# Altium PCB PCB2.PcbDoc (part 3 of 3)
Units mil, origin at the board's own origin, x right, y up, seen from the top; angles counter-clockwise.
Board outline 15748.03 x 10775.59 mil, 4 copper layers (Top Layer, Y1, S2, Bottom Layer), stack 33.217 mil thick; 703 components, 696 nets, 1756 pads, 488 vias.
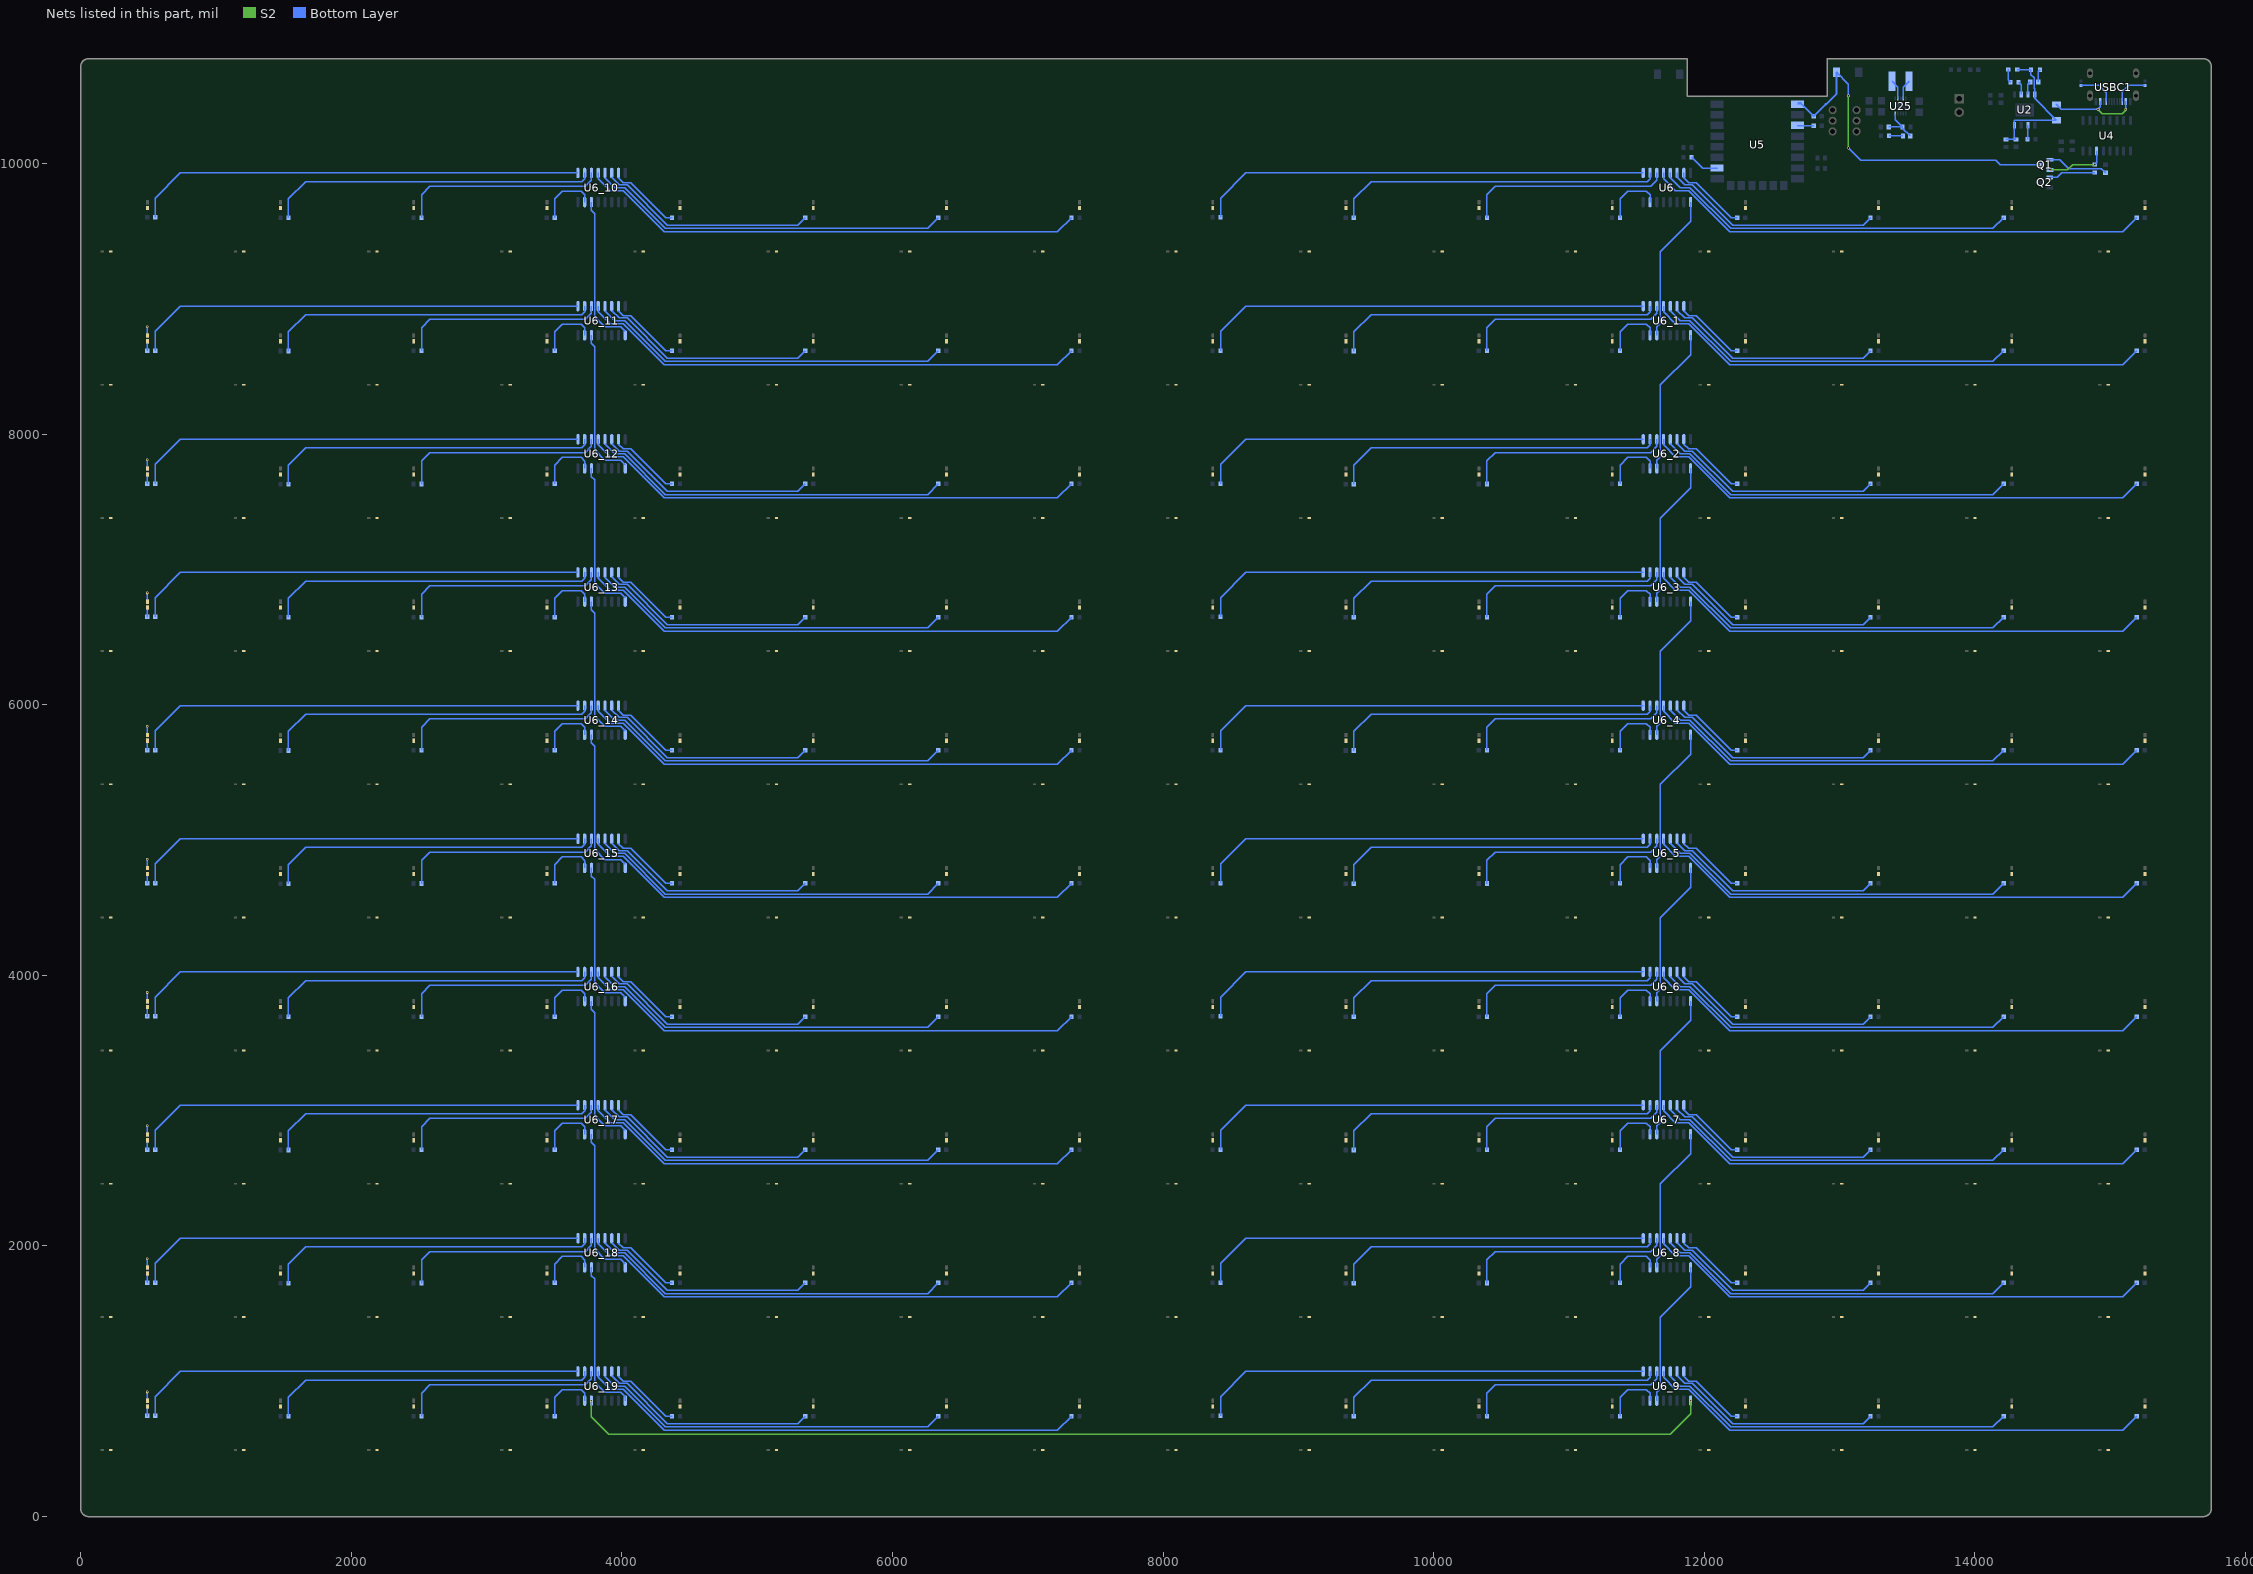
[diagram p5: the nets of this part, all layers, seen from the top]

## Via types
v1: diameter 19.68, hole 11.81, Top Layer to Bottom Layer, tented both sides, 335 vias
v2: diameter 17.72, hole 11.81, Top Layer to Bottom Layer, tented both sides, 153 vias

## Nets (pads, with @x,y where several pads share a name; then routed paths per layer and width w, separated by ;. In a path a pad name is that pad's centre, name@x,y a point inside that pad or via, vN(x,y) a via of type N, cw(c..) or ccw(c..) an arc to the next point about the centre after c; other vN are vias at no path point) (continued)
NewNet303: FL10.1 L10.2 | length 64.2
  Bottom Layer w10: L10.2@491.97,855.91 v1(491.97,920.1)
NewNet304: BR_27.1 L10.1 | length 70.3
  Bottom Layer w10: BR_27.1@492.88,741.73 L10.1@492.84,812.12
NewNet305: FL9.1 L9.2 | length 64.2
  Bottom Layer w10: L9.2@491.97,1840.16 v1(491.97,1904.35)
NewNet306: BR_26.1 L9.1 | length 70.3
  Bottom Layer w10: BR_26.1@492.88,1725.98 L9.1@492.88,1796.33
NewNet307: FL8.1 L8.2 | length 64.2
  Bottom Layer w10: L8.2@491.97,2824.41 v1(491.97,2888.61)
NewNet308: BR_25.1 L8.1 | length 70.3
  Bottom Layer w10: BR_25.1@492.88,2710.24 L8.1@492.84,2780.62
NewNet309: FL7.1 L7.2 | length 64.2
  Bottom Layer w10: L7.2@491.97,3808.66 v1(491.97,3872.86)
NewNet310: BR_24.1 L7.1 | length 70.3
  Bottom Layer w10: BR_24.1@492.88,3694.49 L7.1@492.88,3764.83
NewNet311: FL6.1 L6.2 | length 64.2
  Bottom Layer w10: L6.2@491.97,4792.92 v1(491.97,4857.11)
NewNet312: BR_23.1 L6.1 | length 70.3
  Bottom Layer w10: BR_23.1@492.88,4678.74 L6.1@492.84,4749.12
NewNet313: FL5.1 L5.2 | length 64.2
  Bottom Layer w10: L5.2@491.97,5777.17 v1(491.97,5841.36)
NewNet314: BR_22.1 L5.1 | length 70.3
  Bottom Layer w10: BR_22.1@492.88,5662.99 L5.1@492.88,5733.34
NewNet315: FL4.1 L4.2 | length 64.2
  Bottom Layer w10: L4.2@491.97,6761.42 v1(491.97,6825.61)
NewNet316: BR_21.1 L4.1 | length 70.3
  Bottom Layer w10: BR_21.1@492.88,6647.24 L4.1@492.84,6717.63
NewNet317: FL3.1 L3.2 | length 64.2
  Bottom Layer w10: L3.2@491.97,7745.67 v1(491.97,7809.87)
NewNet318: BR_20.1 L3.1 | length 70.3
  Bottom Layer w10: BR_20.1@492.88,7631.5 L3.1@492.88,7701.84
NewNet319: FL2.1 L2.2 | length 64.2
  Bottom Layer w10: L2.2@491.97,8729.92 v1(491.97,8794.12)
NewNet320: BR_19.1 L2.1 | length 70.3
  Bottom Layer w10: BR_19.1@492.88,8615.75 L2.1@492.84,8686.13
NewNet321: D1_15.2 FL1_15.2
NewNet322: D2_15.2 FL2_15.2
NewNet323: D3_15.2 FL3_15.2
NewNet324: D4_15.2 FL4_15.2
NewNet325: D5_15.2 FL5_15.2
NewNet326: D6_15.2 FL6_15.2
NewNet327: D7_15.2 FL7_15.2
NewNet328: D8_15.2 FL8_15.2
NewNet329: D9_15.2 FL9_15.2
NewNet330: D10_15.2 FL10_15.2
NewNet331: D1_14.2 FL1_14.2
NewNet332: D2_14.2 FL2_14.2
NewNet333: D3_14.2 FL3_14.2
NewNet334: D4_14.2 FL4_14.2
NewNet335: D5_14.2 FL5_14.2
NewNet336: D6_14.2 FL6_14.2
NewNet337: D7_14.2 FL7_14.2
NewNet338: D8_14.2 FL8_14.2
NewNet339: D9_14.2 FL9_14.2
NewNet340: D10_14.2 FL10_14.2
NewNet341: D1_13.2 FL1_13.2
NewNet342: D2_13.2 FL2_13.2
NewNet343: D3_13.2 FL3_13.2
NewNet344: D4_13.2 FL4_13.2
NewNet345: D5_13.2 FL5_13.2
NewNet346: D6_13.2 FL6_13.2
NewNet347: D7_13.2 FL7_13.2
NewNet348: D8_13.2 FL8_13.2
NewNet349: D9_13.2 FL9_13.2
NewNet350: D10_13.2 FL10_13.2
NewNet351: D1_12.2 FL1_12.2
NewNet352: D2_12.2 FL2_12.2
NewNet353: D3_12.2 FL3_12.2
NewNet354: D4_12.2 FL4_12.2
NewNet355: D5_12.2 FL5_12.2
NewNet356: D6_12.2 FL6_12.2
NewNet357: D7_12.2 FL7_12.2
NewNet358: D8_12.2 FL8_12.2
NewNet359: D9_12.2 FL9_12.2
NewNet360: D10_12.2 FL10_12.2
NewNet361: D1_11.2 FL1_11.2
NewNet362: D2_11.2 FL2_11.2
NewNet363: D3_11.2 FL3_11.2
NewNet364: D4_11.2 FL4_11.2
NewNet365: D5_11.2 FL5_11.2
NewNet366: D6_11.2 FL6_11.2
NewNet367: D7_11.2 FL7_11.2
NewNet368: D8_11.2 FL8_11.2
NewNet369: D9_11.2 FL9_11.2
NewNet370: D10_11.2 FL10_11.2
NewNet371: D1_10.2 FL1_10.2
NewNet372: D2_10.2 FL2_10.2
NewNet373: D3_10.2 FL3_10.2
NewNet374: D4_10.2 FL4_10.2
NewNet375: D5_10.2 FL5_10.2
NewNet376: D6_10.2 FL6_10.2
NewNet377: D7_10.2 FL7_10.2
NewNet378: D8_10.2 FL8_10.2
NewNet379: D9_10.2 FL9_10.2
NewNet380: D10_10.2 FL10_10.2
NewNet381: D1_9.2 FL1_9.2
NewNet382: D2_9.2 FL2_9.2
NewNet383: D3_9.2 FL3_9.2
NewNet384: D4_9.2 FL4_9.2
NewNet385: D5_9.2 FL5_9.2
NewNet386: D6_9.2 FL6_9.2
NewNet387: D7_9.2 FL7_9.2
NewNet388: D8_9.2 FL8_9.2
NewNet389: D9_9.2 FL9_9.2
NewNet390: D10_9.2 FL10_9.2
NewNet391: D1_8.2 FL1_8.2
NewNet392: D2_8.2 FL2_8.2
NewNet393: D3_8.2 FL3_8.2
NewNet394: D4_8.2 FL4_8.2
NewNet395: D5_8.2 FL5_8.2
NewNet396: D6_8.2 FL6_8.2
NewNet397: D7_8.2 FL7_8.2
NewNet398: D8_8.2 FL8_8.2
NewNet399: D9_8.2 FL9_8.2
NewNet400: D10_8.2 FL10_8.2
NewNet401: D1_7.2 FL1_7.2
NewNet402: D2_7.2 FL2_7.2
NewNet403: D3_7.2 FL3_7.2
NewNet404: D4_7.2 FL4_7.2
NewNet405: D5_7.2 FL5_7.2
NewNet406: D6_7.2 FL6_7.2
NewNet407: D7_7.2 FL7_7.2
NewNet408: D8_7.2 FL8_7.2
NewNet409: D9_7.2 FL9_7.2
NewNet410: D10_7.2 FL10_7.2
NewNet411: D1_6.2 FL1_6.2
NewNet412: D2_6.2 FL2_6.2
NewNet413: D3_6.2 FL3_6.2
NewNet414: D4_6.2 FL4_6.2
NewNet415: D5_6.2 FL5_6.2
NewNet416: D6_6.2 FL6_6.2
NewNet417: D7_6.2 FL7_6.2
NewNet418: D8_6.2 FL8_6.2
NewNet419: D9_6.2 FL9_6.2
NewNet420: D10_6.2 FL10_6.2
NewNet421: D1_5.2 FL1_5.2
NewNet422: D2_5.2 FL2_5.2
NewNet423: D3_5.2 FL3_5.2
NewNet424: D4_5.2 FL4_5.2
NewNet425: D5_5.2 FL5_5.2
NewNet426: D6_5.2 FL6_5.2
NewNet427: D7_5.2 FL7_5.2
NewNet428: D8_5.2 FL8_5.2
NewNet429: D9_5.2 FL9_5.2
NewNet430: D10_5.2 FL10_5.2
NewNet431: D1_4.2 FL1_4.2
NewNet432: D2_4.2 FL2_4.2
NewNet433: D3_4.2 FL3_4.2
NewNet434: D4_4.2 FL4_4.2
NewNet435: D5_4.2 FL5_4.2
NewNet436: D6_4.2 FL6_4.2
NewNet437: D7_4.2 FL7_4.2
NewNet438: D8_4.2 FL8_4.2
NewNet439: D9_4.2 FL9_4.2
NewNet440: D10_4.2 FL10_4.2
NewNet441: D1_3.2 FL1_3.2
NewNet442: D2_3.2 FL2_3.2
NewNet443: D3_3.2 FL3_3.2
NewNet444: D4_3.2 FL4_3.2
NewNet445: D5_3.2 FL5_3.2
NewNet446: D6_3.2 FL6_3.2
NewNet447: D7_3.2 FL7_3.2
NewNet448: D8_3.2 FL8_3.2
NewNet449: D9_3.2 FL9_3.2
NewNet450: D10_3.2 FL10_3.2
NewNet451: D1_2.2 FL1_2.2
NewNet452: D2_2.2 FL2_2.2
NewNet453: D3_2.2 FL3_2.2
NewNet454: D4_2.2 FL4_2.2
NewNet455: D5_2.2 FL5_2.2
NewNet456: D6_2.2 FL6_2.2
NewNet457: D7_2.2 FL7_2.2
NewNet458: D8_2.2 FL8_2.2
NewNet459: D9_2.2 FL9_2.2
NewNet460: D10_2.2 FL10_2.2
NewNet461: D1_1.2 FL1_1.2
NewNet462: D2_1.2 FL2_1.2
NewNet463: D3_1.2 FL3_1.2
NewNet464: D4_1.2 FL4_1.2
NewNet465: D5_1.2 FL5_1.2
NewNet466: D6_1.2 FL6_1.2
NewNet467: D7_1.2 FL7_1.2
NewNet468: D8_1.2 FL8_1.2
NewNet469: D9_1.2 FL9_1.2
NewNet470: D10_1.2 FL10_1.2
NewNet471: D10.2 FL10.2
NewNet472: D9.2 FL9.2
NewNet473: D8.2 FL8.2
NewNet474: D7.2 FL7.2
NewNet475: D6.2 FL6.2
NewNet476: D5.2 FL5.2
NewNet477: D4.2 FL4.2
NewNet478: D3.2 FL3.2
NewNet479: D2.2 FL2.2
NewNet480: D1.2 FL1.2
NewNet481: R7.2 U2.2 | length 105.2
  Bottom Layer w10: R7.2@14388.44,10177.5 14392.7,10181.76 U2.2@14392.7,10280.9
NewNet482: C4.2 C14.2 LED1.1 LED2.1 R4.2 U2.4 U2.8 | length 1083.4
  Bottom Layer w10: C4.2@14229.6,10177.02 14230.44,10177.86 C14.2@14304,10177.86 14292.7,10189.16 U2.4@14292.7,10280.9 14292.7,10317.6 14294.6,10319.5 R4.2@14603.3,10319.5 14442.7,10480.1 U2.8@14442.7,10509.9 14442.7,10553.1 14438.5,10557.3 14438.5,10633.9 14415,10657.4 LED1.1@14415,10693 14315.8,10693 LED2.1@14314.3,10694.5
NewNet483: R6.1 U2.6 | length 99.5
  Bottom Layer w10: R6.1@14322.96,10601.2 14342.7,10581.46 U2.6@14342.7,10509.9
NewNet484: R5.1 U2.7 | length 99.2
  Bottom Layer w10: U2.7@14392.7,10509.9 14392.7,10584.76 R5.1@14409.94,10602
NewNet485: BR_8.2 U6.1 | length 3344.1
  Bottom Layer w10: BR_8.2@8424.66,9601 8424.66,9743.66 8610.7,9929.7 U6.1@11549,9929.7
NewNet486: LED1.2 R5.2 | length 96.3
  Bottom Layer w10: R5.2@14469.26,10602 14469.26,10680.26 LED1.2@14482,10693
NewNet487: LED2.2 R6.2 | length 100.1
  Bottom Layer w10: LED2.2@14247.3,10694.5 14247.3,10617.54 R6.2@14263.64,10601.2
NewNet488: BR_7.2 U6.2 | length 2433.6
  Bottom Layer w10: BR_7.2@9409.66,9598 9409.66,9738.66 9537,9866 11577,9866 11599,9888 U6.2@11599,9929.7
NewNet489: R9.2 USBC1.B5 | length 256.2
  Bottom Layer w10: USBC1.B5@15090.4,10459.2 15090.4,10528.9 15138.26,10576.76 R9.2@15257.1,10576.76
NewNet490: R10.1 USBC1.A5 | length 275
  Bottom Layer w10: R10.1@14783.7,10576.76 14919.14,10576.76 14972.3,10523.6 USBC1.A5@14972.3,10459.2
NewNet491: L1_16.2 U25.2 | length 145.3
  Bottom Layer w10: L1_16.2@13387.9,10606.7 13430.8,10563.8 U25.2@13430.8,10479.2
NewNet492: L1_16.1 U25.4 | length 145.6
  Bottom Layer w10: U25.4@13470.2,10479.2 13470.2,10563 L1_16.1@13513.9,10606.7
NewNet493: C2.1 R1.1 R3.2 U25.10 | length 312.4
  Bottom Layer w10: R1.1@13364.38,10269.62 R3.2@13465.06,10269.62 ; U25.10@13411.1,10368.38 13411.1,10323.58 R3.2@13465.06,10269.62 ; C2.1@13523.28,10203.11 13465.06,10261.33 R3.2@13465.06,10269.62
NewNet494: C2.2 R2.1 | length 102.6
  Bottom Layer w10: R2.1@13365.59,10203.11 C2.2@13468.16,10203.11
NewNet495: Q2.1 R17.2 | length 347.6
  Bottom Layer w10: Q2.1@14554.67,9896.9 14607.4,9896.9 14643.14,9932.64 R17.2@14887.5,9932.64
NewNet496: Q1.1 R8.2 | length 450.2
  Bottom Layer w10: Q1.1@14555.37,10026.9 14628.9,10026.9 14693.6,9962.2 14934.94,9962.2 R8.2@14965.9,9931.24
NewNet497: BR_6.2 U6.3 | length 1523.2
  Bottom Layer w10: BR_6.2@10393.66,9599 10393.66,9769.66 10455,9831 11603,9831 11649,9877 U6.3@11649,9929.7
NewNet498: R13.2 U5.10 | length 223.5
  Bottom Layer w10: R13.2@11905.96,10046.4 11987.8,9964.56 12092.96,9964.56 U5.10@12094.8,9966.4
NewNet499: R12.2 U5.3 | length 121.2
  Bottom Layer w10: U5.3@12689.4,10281.3 12691.4,10279.3 R12.2@12809.74,10279.3
NewNet500: BR_1.2 U6.4 | length 3745.5
  Bottom Layer w10: U6.4@11699,9929.7 11699,9888 11787,9800 11884,9800 12188,9496 15093.34,9496 BR_1.2@15197.34,9600
NewNet501: BR_2.2 U6.5 | length 2686.4
  Bottom Layer w10: U6.5@11749,9929.7 11749,9895 11823,9821 11894,9821 12194,9521 14134.09,9521 BR_2.2@14213.09,9600
NewNet502: BR_3.2 U6.6 | length 1631.1
  Bottom Layer w10: U6.6@11799,9929.7 11799,9897 11854,9842 11912,9842 12209,9545 13173.84,9545 BR_3.2@13228.84,9600
NewNet503: BR_4.2 U6.7 | length 553.1
  Bottom Layer w10: U6.7@11849,9929.7 11849,9894 11884,9859 11939,9859 12198,9600 BR_4.2@12244.58,9600
NewNet504: BR_5.2 U6.15 | length 449.6
  Bottom Layer w10: BR_5.2@11377.66,9600 11377.66,9738.66 11435,9796 11572,9796 11599,9769 U6.15@11599,9714.3
NewNet505: BR_7_1.2 U6_1.2 | length 2433.6
  Bottom Layer w10: BR_7_1.2@9409.66,8613.75 9409.66,8754.41 9537,8881.75 11577,8881.75 11599,8903.75 U6_1.2@11599,8945.45
NewNet506: BR_6_1.2 U6_1.3 | length 1523.2
  Bottom Layer w10: BR_6_1.2@10393.66,8614.75 10393.66,8785.41 10455,8846.75 11603,8846.75 11649,8892.75 U6_1.3@11649,8945.45
NewNet507: BR_5_1.2 U6_1.15 | length 449.6
  Bottom Layer w10: BR_5_1.2@11377.66,8615.75 11377.66,8754.41 11435,8811.75 11572,8811.75 11599,8784.75 U6_1.15@11599,8730.05
NewNet508: BR_4_1.2 U6_1.7 | length 517.4
  Bottom Layer w10: U6_1.7@11849,8909.75 11884,8874.75 11939,8874.75 12198,8615.75 BR_4_1.2@12244.58,8615.75
NewNet509: BR_3_1.2 U6_1.6 | length 1598.4
  Bottom Layer w10: U6_1.6@11799,8912.75 11854,8857.75 11912,8857.75 12209,8560.75 13173.84,8560.75 BR_3_1.2@13228.84,8615.75
NewNet510: BR_2_1.2 U6_1.5 | length 2651.7
  Bottom Layer w10: U6_1.5@11749,8910.75 11823,8836.75 11894,8836.75 12194,8536.75 14134.09,8536.75 BR_2_1.2@14213.09,8615.75
NewNet511: BR_1_1.2 U6_1.4 | length 3745.5
  Bottom Layer w10: U6_1.4@11699,8945.45 11699,8903.75 11787,8815.75 11884,8815.75 12188,8511.75 15093.34,8511.75 BR_1_1.2@15197.34,8615.75
NewNet512: BR_9.2 U6_1.1 | length 3344.1
  Bottom Layer w10: BR_9.2@8424.66,8616.75 8424.66,8759.41 8610.7,8945.45 U6_1.1@11549,8945.45
NewNet513: U6_1.9 U6_2.14 | length 1087.8
  Bottom Layer w10: U6_2.14@11649,7745.8 11649,7807.75 11674,7832.75 11674,8362.75 11899,8587.75 U6_1.9@11899,8730.05
NewNet514: BR_7_2.2 U6_2.2 | length 2433.6
  Bottom Layer w10: BR_7_2.2@9409.66,7629.5 9409.66,7770.16 9537,7897.5 11577,7897.5 11599,7919.5 U6_2.2@11599,7961.2
NewNet515: BR_6_2.2 U6_2.3 | length 1523.2
  Bottom Layer w10: BR_6_2.2@10393.66,7630.5 10393.66,7801.16 10455,7862.5 11603,7862.5 11649,7908.5 U6_2.3@11649,7961.2
NewNet516: BR_5_2.2 U6_2.15 | length 449.6
  Bottom Layer w10: BR_5_2.2@11377.66,7631.5 11377.66,7770.16 11435,7827.5 11572,7827.5 11599,7800.5 U6_2.15@11599,7745.8
NewNet517: BR_4_2.2 U6_2.7 | length 517.4
  Bottom Layer w10: U6_2.7@11849,7925.5 11884,7890.5 11939,7890.5 12198,7631.5 BR_4_2.2@12244.58,7631.5
NewNet518: BR_3_2.2 U6_2.6 | length 1598.4
  Bottom Layer w10: U6_2.6@11799,7928.5 11854,7873.5 11912,7873.5 12209,7576.5 13173.84,7576.5 BR_3_2.2@13228.84,7631.5
NewNet519: BR_2_2.2 U6_2.5 | length 2651.7
  Bottom Layer w10: U6_2.5@11749,7926.5 11823,7852.5 11894,7852.5 12194,7552.5 14134.09,7552.5 BR_2_2.2@14213.09,7631.5
NewNet520: BR_1_2.2 U6_2.4 | length 3745.5
  Bottom Layer w10: U6_2.4@11699,7961.2 11699,7919.5 11787,7831.5 11884,7831.5 12188,7527.5 15093.34,7527.5 BR_1_2.2@15197.34,7631.5
NewNet521: BR_10.2 U6_2.1 | length 3344.1
  Bottom Layer w10: BR_10.2@8424.66,7632.5 8424.66,7775.16 8610.7,7961.2 U6_2.1@11549,7961.2
NewNet522: U6_2.9 U6_3.14 | length 1087.8
  Bottom Layer w10: U6_3.14@11649,6761.54 11649,6823.5 11674,6848.5 11674,7378.5 11899,7603.5 U6_2.9@11899,7745.8
NewNet523: BR_7_3.2 U6_3.2 | length 2433.6
  Bottom Layer w10: BR_7_3.2@9409.66,6645.24 9409.66,6785.9 9537,6913.24 11577,6913.24 11599,6935.24 U6_3.2@11599,6976.94
NewNet524: BR_6_3.2 U6_3.3 | length 1523.2
  Bottom Layer w10: BR_6_3.2@10393.66,6646.24 10393.66,6816.9 10455,6878.24 11603,6878.24 11649,6924.24 U6_3.3@11649,6976.94
NewNet525: BR_5_3.2 U6_3.15 | length 449.6
  Bottom Layer w10: BR_5_3.2@11377.66,6647.24 11377.66,6785.9 11435,6843.24 11572,6843.24 11599,6816.24 U6_3.15@11599,6761.54
NewNet526: BR_4_3.2 U6_3.7 | length 517.4
  Bottom Layer w10: U6_3.7@11849,6941.24 11884,6906.24 11939,6906.24 12198,6647.24 BR_4_3.2@12244.58,6647.24
NewNet527: U6.9 U6_1.14 | length 1087.8
  Bottom Layer w10: U6_1.14@11649,8730.05 11649,8792 11674,8817 11674,9347 11899,9572 U6.9@11899,9714.3
NewNet528: BR_3_3.2 U6_3.6 | length 1598.4
  Bottom Layer w10: U6_3.6@11799,6944.24 11854,6889.24 11912,6889.24 12209,6592.24 13173.84,6592.24 BR_3_3.2@13228.84,6647.24
NewNet529: BR_2_3.2 U6_3.5 | length 2651.7
  Bottom Layer w10: U6_3.5@11749,6942.24 11823,6868.24 11894,6868.24 12194,6568.24 14134.09,6568.24 BR_2_3.2@14213.09,6647.24
NewNet530: BR_1_3.2 U6_3.4 | length 3745.5
  Bottom Layer w10: U6_3.4@11699,6976.94 11699,6935.24 11787,6847.24 11884,6847.24 12188,6543.24 15093.34,6543.24 BR_1_3.2@15197.34,6647.24
NewNet531: BR_11.2 U6_3.1 | length 3344.1
  Bottom Layer w10: BR_11.2@8424.66,6648.24 8424.66,6790.9 8610.7,6976.94 U6_3.1@11549,6976.94
NewNet532: U6_3.9 U6_4.14 | length 1087.8
  Bottom Layer w10: U6_4.14@11649,5777.29 11649,5839.24 11674,5864.24 11674,6394.24 11899,6619.24 U6_3.9@11899,6761.54
NewNet533: BR_7_4.2 U6_4.2 | length 2433.6
  Bottom Layer w10: BR_7_4.2@9409.66,5660.99 9409.66,5801.65 9537,5928.99 11577,5928.99 11599,5950.99 U6_4.2@11599,5992.69
NewNet534: BR_6_4.2 U6_4.3 | length 1523.2
  Bottom Layer w10: BR_6_4.2@10393.66,5661.99 10393.66,5832.65 10455,5893.99 11603,5893.99 11649,5939.99 U6_4.3@11649,5992.69
NewNet535: BR_5_4.2 U6_4.15 | length 449.6
  Bottom Layer w10: BR_5_4.2@11377.66,5662.99 11377.66,5801.65 11435,5858.99 11572,5858.99 11599,5831.99 U6_4.15@11599,5777.29
NewNet536: BR_4_4.2 U6_4.7 | length 517.4
  Bottom Layer w10: U6_4.7@11849,5956.99 11884,5921.99 11939,5921.99 12198,5662.99 BR_4_4.2@12244.58,5662.99
NewNet537: BR_3_4.2 U6_4.6 | length 1598.4
  Bottom Layer w10: U6_4.6@11799,5959.99 11854,5904.99 11912,5904.99 12209,5607.99 13173.84,5607.99 BR_3_4.2@13228.84,5662.99
NewNet538: BR_2_4.2 U6_4.5 | length 2651.7
  Bottom Layer w10: U6_4.5@11749,5957.99 11823,5883.99 11894,5883.99 12194,5583.99 14134.09,5583.99 BR_2_4.2@14213.09,5662.99
NewNet539: BR_1_4.2 U6_4.4 | length 3745.5
  Bottom Layer w10: U6_4.4@11699,5992.69 11699,5950.99 11787,5862.99 11884,5862.99 12188,5558.99 15093.34,5558.99 BR_1_4.2@15197.34,5662.99
NewNet540: BR_12.2 U6_4.1 | length 3344.1
  Bottom Layer w10: BR_12.2@8424.66,5663.99 8424.66,5806.65 8610.7,5992.69 U6_4.1@11549,5992.69
NewNet541: U6_4.9 U6_5.14 | length 1087.8
  Bottom Layer w10: U6_5.14@11649,4793.04 11649,4854.99 11674,4879.99 11674,5409.99 11899,5634.99 U6_4.9@11899,5777.29
NewNet542: BR_7_5.2 U6_5.2 | length 2433.6
  Bottom Layer w10: BR_7_5.2@9409.66,4676.74 9409.66,4817.4 9537,4944.74 11577,4944.74 11599,4966.74 U6_5.2@11599,5008.44
NewNet543: BR_6_5.2 U6_5.3 | length 1523.2
  Bottom Layer w10: BR_6_5.2@10393.66,4677.74 10393.66,4848.4 10455,4909.74 11603,4909.74 11649,4955.74 U6_5.3@11649,5008.44
NewNet544: BR_5_5.2 U6_5.15 | length 449.6
  Bottom Layer w10: BR_5_5.2@11377.66,4678.74 11377.66,4817.4 11435,4874.74 11572,4874.74 11599,4847.74 U6_5.15@11599,4793.04
NewNet545: BR_4_5.2 U6_5.7 | length 517.4
  Bottom Layer w10: U6_5.7@11849,4972.74 11884,4937.74 11939,4937.74 12198,4678.74 BR_4_5.2@12244.58,4678.74
NewNet546: BR_3_5.2 U6_5.6 | length 1598.4
  Bottom Layer w10: U6_5.6@11799,4975.74 11854,4920.74 11912,4920.74 12209,4623.74 13173.84,4623.74 BR_3_5.2@13228.84,4678.74
NewNet547: BR_2_5.2 U6_5.5 | length 2651.7
  Bottom Layer w10: U6_5.5@11749,4973.74 11823,4899.74 11894,4899.74 12194,4599.74 14134.09,4599.74 BR_2_5.2@14213.09,4678.74
NewNet548: BR_1_5.2 U6_5.4 | length 3745.5
  Bottom Layer w10: U6_5.4@11699,5008.44 11699,4966.74 11787,4878.74 11884,4878.74 12188,4574.74 15093.34,4574.74 BR_1_5.2@15197.34,4678.74
NewNet549: BR_13.2 U6_5.1 | length 3344.1
  Bottom Layer w10: BR_13.2@8424.66,4679.74 8424.66,4822.4 8610.7,5008.44 U6_5.1@11549,5008.44
NewNet550: U6_5.9 U6_6.14 | length 1087.8
  Bottom Layer w10: U6_6.14@11649,3808.79 11649,3870.74 11674,3895.74 11674,4425.74 11899,4650.74 U6_5.9@11899,4793.04
NewNet551: BR_7_6.2 U6_6.2 | length 2433.6
  Bottom Layer w10: BR_7_6.2@9409.66,3692.49 9409.66,3833.15 9537,3960.49 11577,3960.49 11599,3982.49 U6_6.2@11599,4024.19
NewNet552: BR_6_6.2 U6_6.3 | length 1523.2
  Bottom Layer w10: BR_6_6.2@10393.66,3693.49 10393.66,3864.15 10455,3925.49 11603,3925.49 11649,3971.49 U6_6.3@11649,4024.19
NewNet553: BR_5_6.2 U6_6.15 | length 449.6
  Bottom Layer w10: BR_5_6.2@11377.66,3694.49 11377.66,3833.15 11435,3890.49 11572,3890.49 11599,3863.49 U6_6.15@11599,3808.79
NewNet554: BR_4_6.2 U6_6.7 | length 517.4
  Bottom Layer w10: U6_6.7@11849,3988.49 11884,3953.49 11939,3953.49 12198,3694.49 BR_4_6.2@12244.58,3694.49
NewNet555: BR_3_6.2 U6_6.6 | length 1598.4
  Bottom Layer w10: U6_6.6@11799,3991.49 11854,3936.49 11912,3936.49 12209,3639.49 13173.84,3639.49 BR_3_6.2@13228.84,3694.49
NewNet556: BR_2_6.2 U6_6.5 | length 2651.7
  Bottom Layer w10: U6_6.5@11749,3989.49 11823,3915.49 11894,3915.49 12194,3615.49 14134.09,3615.49 BR_2_6.2@14213.09,3694.49